# KiCad board eChook_Nano.kicad_pcb
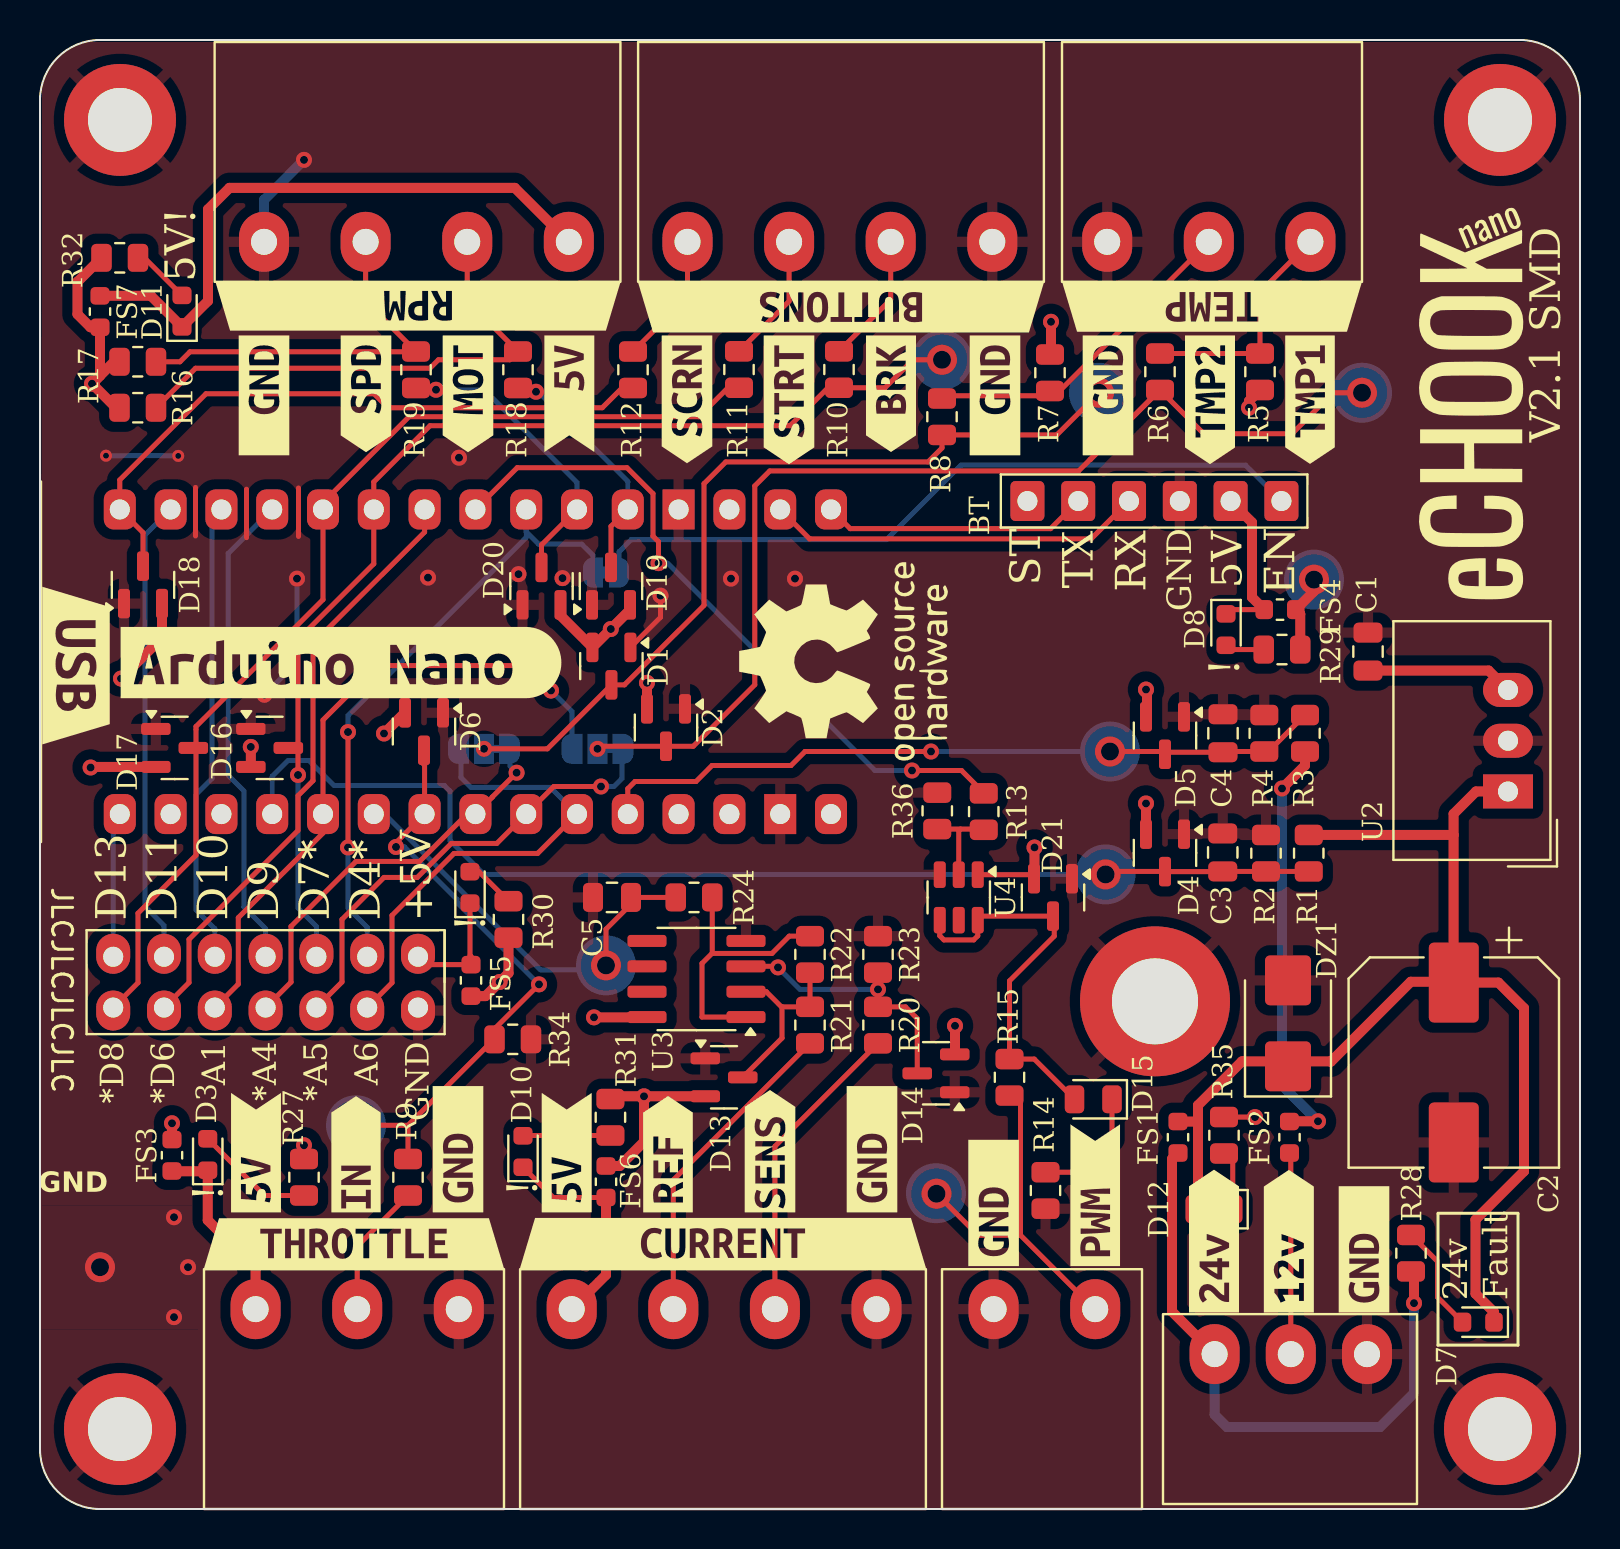
[diagram p0: board, top side]
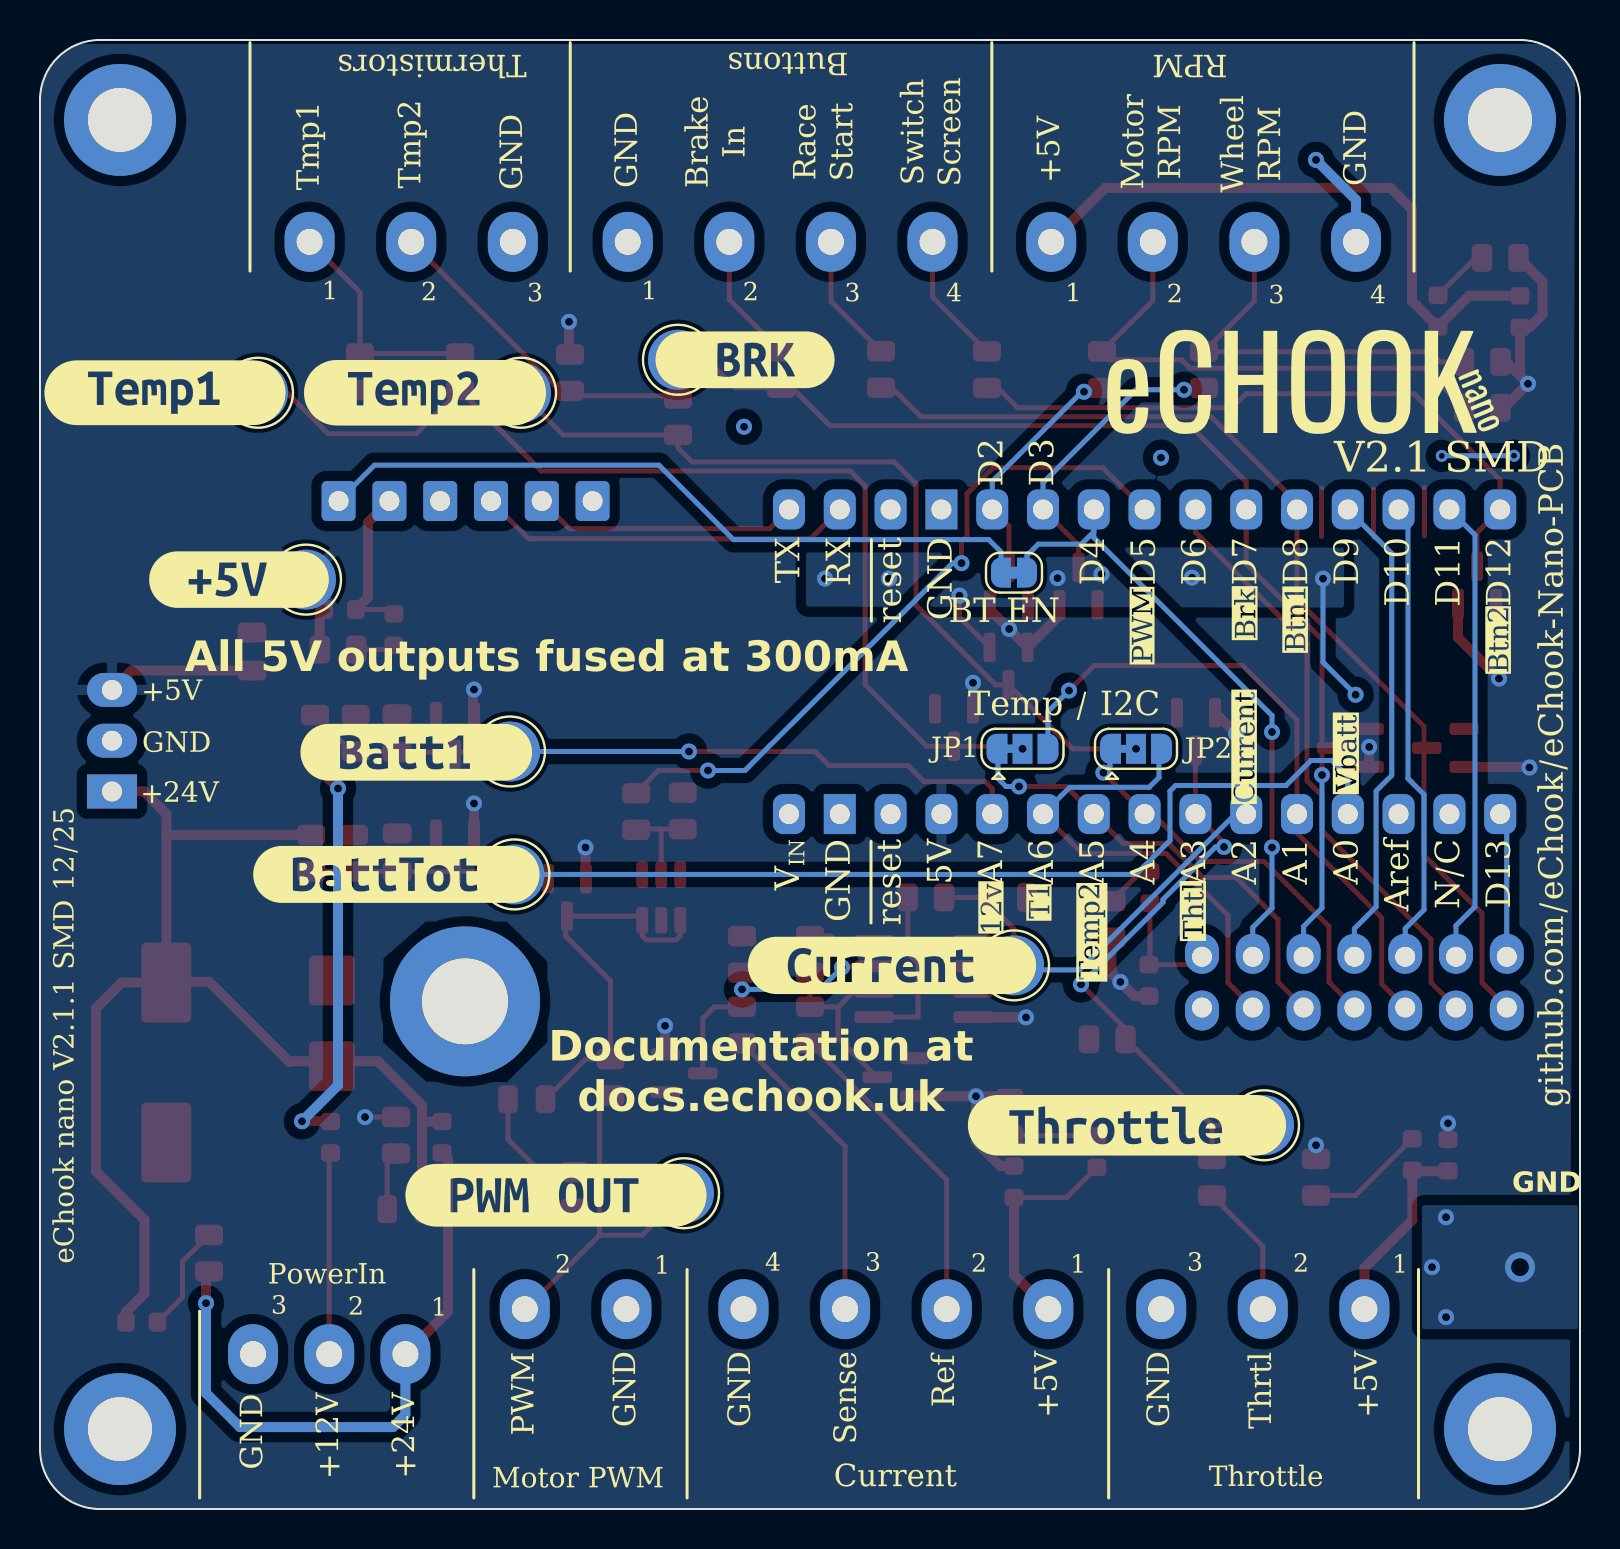
[diagram p1: board, bottom side, seen from below]

Outline 77 x 73.5 mm; copper layers: Top, Bottom. Coordinates in mm from the lower left corner of the outline.
Outline path: 0,70.5 arc(0.88,72.62) 3,73.5 74,73.5 arc(76.12,72.62) 77,70.5 77,3 arc(76.12,0.88) 74,0 3,0 arc(0.88,0.88) 0,3 0,70.5

## Placement (name value [footprint] x y rotation side)
BC1  -  [BOM-Component]  21.8 50 0 top
BC2  -  [BOM-Component]  21.8 34.8 0 top
C1  22u 10V  [C_0805_2012Metric]  66.4 42.9 90 top
C2  47uf 63V  [CP_Elec_10x10]  70.69 22.34 270 top
C3  1u  [C_0805_2012Metric]  59.14 32.85 90 top
C4  1u  [C_0805_2012Metric]  59.15 38.81 90 top
C5  1u  [C_0805_2012Metric]  28.6 30.6 180 top
Conn1  Current  [Pluggable_Terminal_4_5.08mm]  26.59 10 270 top
Conn2  PowerIn  [Pluggable_Terminal_3_3.81mm]  58.73 7.75 270 top
Conn3  Therm  [Pluggable_Terminal_3_5.08mm]  63.52 63.4 90 top
Conn4  RPM  [Pluggable_Terminal_4_5.08mm]  26.44 63.4 90 top
Conn5  EXT  [Pluggable_Terminal_4_5.08mm]  47.62 63.4 90 top
Conn6  Throttle  [Pluggable_Terminal_3_5.08mm]  10.78 10 270 top
Conn7  BT  [PinHeader_1x06_P2.54mm_Vertical]  62.07 50.43 270 top
Conn8  MotorPWM  [Pluggable_Terminal_2_5.08mm]  49.8 6 270 top
D1  BAT54S  [SOT-23]  28.57 42.17 270 top
D2  BAT54S  [SOT-23]  31.3 39.1 270 top
D3  LED  [LED_0603_1608Metric]  8.39 17.74 90 top
D4  BAT54S  [SOT-23]  56.25 32.83 270 top
D5  BAT54S  [SOT-23]  56.25 38.7 270 top
D6  BAT54S  [SOT-23]  19.2 38.9 270 top
D7  LED  [LED_0603_1608Metric]  71.91 9.35 180 top
D8  LED  [LED_0603_1608Metric]  59.3 44 270 top
D9  LED  [LED_0603_1608Metric]  21.5 31.1 90 top
D10  LED  [LED_0603_1608Metric]  24.15 17.89 90 top
D11  LED  [LED_0603_1608Metric]  7.1 59.93 90 top
D12  LED_GREEN  [LED_0805_2012Metric]  58.7 15 180 top
D13  BAT54S  [SOT-23]  34.2 21.6 0 top
D14  BAT54S  [SOT-23]  44.8 21.8 180 top
D15  LED_GREEN  [LED_0805_2012Metric]  52.66 20.5 180 top
D16  BAT54S  [SOT-23]  11.48 38.08 0 top
D17  BAT54S  [SOT-23]  6.73 38.08 0 top
D18  BAT54S  [SOT-23]  5.15 46.24 90 top
D19  BAT54S  [SOT-23]  28.55 46.17 90 top
D20  BAT54S  [SOT-23]  25.07 46.17 90 top
D21  BAT54S  [SOT-23]  50.65 30.6 270 top
DZ1  33v 35v 37v  [D_SMB]  62.4 24.3 90 top
FS1  Polyfuse 300mA  [Fuse_0603_1608Metric]  56.9 18.6 90 top
FS2  Polyfuse 300mA  [Fuse_0603_1608Metric]  62.47 18.6 90 top
FS3  Polyfuse 300mA  [Fuse_0603_1608Metric]  6.6 17.7 90 top
FS4  Polyfuse 300mA  [Fuse_0603_1608Metric]  62 45 0 top
FS5  Polyfuse 300mA  [Fuse_0603_1608Metric]  21.55 26.45 270 top
FS6  Polyfuse 300mA  [Fuse_0603_1608Metric]  28.3 16.37 90 top
FS7  Polyfuse 300mA  [Fuse_0603_1608Metric]  3 59.91 270 top
G***  -  [LOGO]  40.17 42.41 90 top
G***#2  LOGO  [eCHOOK_NANO_Logo_20mm]  71.5 55.35 90 top
G***#3  LOGO  [eCHOOK_NANO_Logo_20mm]  13.8 56.45 180 bottom
H1  MountingHole_Pad  [MountingHole_3.2mm_M3_DIN965_Pad_TopBottom]  4 69.5 0 top
H2  MountingHole_Pad  [MountingHole_3.2mm_M3_DIN965_Pad_TopBottom]  73 69.5 0 top
H3  MountingHole_Pad  [MountingHole_3.2mm_M3_DIN965_Pad_TopBottom]  4 4 0 top
H4  MountingHole_Pad  [MountingHole_3.2mm_M3_DIN965_Pad_TopBottom]  73 4 0 top
H5  MountingHole_Pad  [MountingHole_4.3mm_M4_DIN965_Pad]  55.75 25.4 0 top
J1  Expansion  [PinHeader_2x07_P2.54mm_Vertical]  18.9 27.63 270 top
JP1  SolderJumper_3_Bridged12  [SolderJumper-3_P1.3mm_Bridged12_RoundedPad1.0x1.5mm]  27.88 38.03 180 bottom  (not fitted)
JP2  SolderJumper_3_Bridged12  [SolderJumper-3_P1.3mm_Bridged12_RoundedPad1.0x1.5mm]  22.2 38.03 180 bottom  (not fitted)
JP3  ~  [SolderJumper-2_P1.3mm_Bridged_RoundedPad1.0x1.5mm]  28.3 46.85 0 bottom  (not fitted)
kibuzzard-66D71FF8  G***  [kibuzzard-66D71FF8]  58.7 13.41 90 top
kibuzzard-66D72A35  G***  [kibuzzard-66D72A35]  18.9 60.2 180 top
kibuzzard-66D86D8A  G***  [kibuzzard-66D86D8A]  40.05 60.13 180 top
kibuzzard-66D86D91  G***  [kibuzzard-66D86D91]  58.6 60.14 180 top
kibuzzard-66D86E8F  G***  [kibuzzard-66D86E8F]  16.3 55.8 90 top
kibuzzard-66D86EA3  G***  [kibuzzard-66D86EA3]  21.4 55.8 90 top
kibuzzard-66D86EBA  G***  [kibuzzard-66D86EBA]  26.47 55.8 90 top
kibuzzard-66D86EDC  G***  [kibuzzard-66D86EDC]  32.35 55.52 90 top
kibuzzard-66D86F00  G***  [kibuzzard-66D86F00]  37.45 55.49 90 top
kibuzzard-66D86F2B  G***  [kibuzzard-66D86F2B]  42.55 55.8 90 top
kibuzzard-66D86F7C  G***  [kibuzzard-66D86F7C]  63.5 55.5 90 top
kibuzzard-66D86F40  G***  [kibuzzard-66D86F40]  11.2 55.72 90 top
kibuzzard-66D86F46  G***  [kibuzzard-66D86F46]  47.75 55.72 90 top
kibuzzard-66D86F51  G***  [kibuzzard-66D86F51]  53.4 55.72 90 top
kibuzzard-66D86F60  G***  [kibuzzard-66D86F60]  58.5 55.5 90 top
kibuzzard-66D727FC  G***  [kibuzzard-66D727FC]  31.4 17.75 90 top
kibuzzard-66D728C6  G***  [kibuzzard-66D728C6]  15.8 17.75 90 top
kibuzzard-66D728F7  G***  [kibuzzard-66D728F7]  15.7 13.29 0 top
kibuzzard-66D7200F  G***  [kibuzzard-66D7200F]  62.44 13.4 90 top
kibuzzard-66D7283F  G***  [kibuzzard-66D7283F]  36.5 17.9 90 top
kibuzzard-66D72019  G***  [kibuzzard-66D72019]  47.68 15.31 90 top
kibuzzard-66D72019#2  G***  [kibuzzard-66D72019]  41.6 18 90 top
kibuzzard-66D72019#3  G***  [kibuzzard-66D72019]  20.9 18 90 top
kibuzzard-66D72019#4  G***  [kibuzzard-66D72019]  66.2 12.99 90 top
kibuzzard-66D72322  G***  [kibuzzard-66D72322]  52.76 15.7 90 top
kibuzzard-66D72613  G***  [kibuzzard-66D72613]  26.34 17.83 90 top
kibuzzard-66D72613#2  G***  [kibuzzard-66D72613]  10.8 17.83 90 top
kibuzzard-66D72997  G***  [kibuzzard-66D72997]  34.15 13.3 0 top
kibuzzard-66E1D05B  G***  [kibuzzard-66E1D05B]  15.05 42.35 0 top
kibuzzard-66E1D172  G***  [kibuzzard-66E1D172]  1.8 42.2 270 top
kibuzzard-66E1DBD4  G***  [kibuzzard-66E1DBD4]  58.19 37.86 180 bottom
kibuzzard-66E1DC01  G***  [kibuzzard-66E1DC01]  67.05 46.5 180 bottom
kibuzzard-66E1DD3E  G***  [kibuzzard-66E1DD3E]  41.75 57.5 180 bottom
kibuzzard-66E1DD07  G***  [kibuzzard-66E1DD07]  70.75 55.85 180 bottom
kibuzzard-66E1DD26  G***  [kibuzzard-66E1DD26]  57.75 55.85 180 bottom
kibuzzard-66E1DDEC  G***  [kibuzzard-66E1DDEC]  59.18 31.75 180 bottom
kibuzzard-66E1DE80  G***  [kibuzzard-66E1DE80]  34.4 27.2 180 bottom
kibuzzard-66E1DE99  G***  [kibuzzard-66E1DE99]  22.65 19.2 180 bottom
kibuzzard-67D9A076  G***  [kibuzzard-67D9A076]  51.2 15.7 180 bottom
R1  82k  [R_0805_2012Metric]  63.44 32.81 270 top
R2  16k  [R_0805_2012Metric]  61.3 32.81 90 top
R3  82K  [R_0805_2012Metric]  63.25 38.81 90 top
R4  16k  [R_0805_2012Metric]  61.22 38.81 90 top
R5  10k  [R_0805_2012Metric]  61 56.9 90 top
R6  1k  [R_0805_2012Metric]  56 56.9 270 top
R7  10k  [R_0805_2012Metric]  50.5 56.85 270 top
R8  1k  [R_0805_2012Metric]  45.1 54.65 270 top
R9  1k  [R_0805_2012Metric]  18.4 16.6 90 top
R10  1k  [R_0805_2012Metric]  39.95 57.01 270 top
R11  1k  [R_0805_2012Metric]  34.95 57.01 270 top
R12  1k  [R_0805_2012Metric]  29.65 57 270 top
R13  1k  [R_0805_2012Metric]  47.19 34.89 270 top
R14  1k  [R_0805_2012Metric]  50.28 15.94 90 top
R15  100  [R_0805_2012Metric]  48.47 21.6 270 top
R16  10k  [R_0805_2012Metric]  4.89 55.1 180 top
R17  10k  [R_0805_2012Metric]  4.89 57.4 180 top
R18  1k  [R_0805_2012Metric]  23.9 57 90 top
R19  1k  [R_0805_2012Metric]  18.8 57 90 top
R20  4.7k  [R_0805_2012Metric]  41.9 24.21 270 top
R21  4.7k  [R_0805_2012Metric]  38.5 24.21 270 top
R22  10k  [R_0805_2012Metric]  38.5 27.75 270 top
R23  10k  [R_0805_2012Metric]  41.9 27.75 270 top
R24  10k  [R_0805_2012Metric]  32.7 30.6 0 top
R27  1k  [R_0805_2012Metric]  13.2 16.6 90 top
R28  10k  [R_0805_2012Metric]  68.55 12.8 90 top
R29  1k  [R_0805_2012Metric]  62.1 43 0 top
R30  1k  [R_0805_2012Metric]  23.43 29.5 270 top
R31  1k  [R_0805_2012Metric]  28.52 19.6 90 top
R32  1k  [R_0805_2012Metric]  3.99 62.6 180 top
R34  100k  [R_0805_2012Metric]  23.64 23.5 0 top
R35  16k  [R_0805_2012Metric]  59.2 18.7 270 top
R36  100k  [R_0805_2012Metric]  44.86 34.93 90 top
TP1  BattTotalVTP  [TestPoint_Pad_D3.0mm]  53.28 31.75 180 bottom  (not fitted)
TP2  Batt1lVTP  [TestPoint_Pad_D3.0mm]  53.5 37.9 180 bottom  (not fitted)
TP3  PWR5VTP  [TestPoint_Pad_D3.0mm]  63.7 46.5 180 bottom  (not fitted)
TP4  PWM_TestPoint  [TestPoint_Pad_D3.0mm]  44.8 15.8 0 bottom
TP5  Temp1TP  [TestPoint_Pad_D3.0mm]  66.1 55.85 180 bottom  (not fitted)
TP6  Temp2TP  [TestPoint_Pad_D3.0mm]  52.95 55.85 180 bottom  (not fitted)
TP7  BrakeTP  [TestPoint_Pad_D3.0mm]  45.1 57.5 180 bottom  (not fitted)
TP8  ThrottleTP  [TestPoint_Pad_D3.0mm]  15.8 19.2 180 bottom  (not fitted)
TP9  CurrentTP  [TestPoint_Pad_D3.0mm]  28.3 27.2 180 bottom  (not fitted)
U1  Arduino_Nano_v3.x  [Arduino_Nano]  39.55 50.01 270 top  (not fitted)
U2  TSR_1-2450  [Converter_DCDC_TRACO_TSR-1_THT]  73.4 35.9 90 top
U3  MCP6002-xP  [SOIC-8_3.9x4.9mm_P1.27mm]  32.82 26.52 180 top
U4  ZXGD3009E6  [SOT-23-6]  45.94 30.6 270 top

## Library data of the parts
BC1 BC2 = -: LCSC: C2932676
C1 = -: LCSC: C45783; ki_fp_filters: C_*
C2 = -: LCSC: C125977; MPN: EEEHA1J470P; Manufacturer: PANASONIC; ki_fp_filters: CP_*
C3-C5 = -: LCSC: C28323; ki_fp_filters: C_*
Conn1 Conn4 Conn5 = -: LCSC: C8443; ki_fp_filters: Connector*:*_1x??_*
Conn2 = -: LCSC: C8406; ki_fp_filters: Connector*:*_1x??_*
Conn3 Conn6 = -: LCSC: C70914; ki_fp_filters: Connector*:*_1x??_*
Conn7 = -: LCSC: C5224026; ki_fp_filters: Connector*:*_1x??_*
Conn8 = -: LCSC: C441204; ki_fp_filters: Connector*:*_1x??_*
D1 D2 D4-D6 D13 D14 D16-D21 = -: Datasheet: https://www.diodes.com/assets/Datasheets/ds11005.pdf; Description: Vr 30V, If 200mA, Dual schottky barrier diode, in series, SOT-323; LCSC: C47546; MPN: BAT54S,215; Manufacturer: Nexperia; ki_fp_filters: SOT?23*
D3 D7-D11 = -: LCSC: C2286; ki_fp_filters: LED* LED_SMD:* LED_THT:*
D12 D15 = -: LCSC: C2297; MPN: KT-0805G; Manufacturer: Hubei KENTO Elec; ki_fp_filters: LED* LED_SMD:* LED_THT:*
DZ1 = -: Datasheet: https://www.lcsc.com/datasheet/lcsc_datasheet_2110220930_ROHM-Semicon-PTZTE2533B_C2909283.pdf; Description: Zener diode, generic symbol, Alternate KiCAD Library; LCSC: C2909283; MPN: PTZTE2533B; Manufacturer: ROHM Semi; ki_fp_filters: TO-???* *_Diode_* *SingleDiode* D_*
FS1-FS7 = -: Datasheet: https://www.lcsc.com/datasheet/lcsc_datasheet_2403041840_BHFUSE-BSMD0603-010-36V_C18377604.pdf; LCSC: C7472522; MPN: BHFUSE BSMD0603-010-36V; ki_fp_filters: *polyfuse* *PTC*
H1-H5 = -: Description: Mounting Hole with connection; ki_fp_filters: MountingHole*Pad*
J1 = -: LCSC: C38844; ki_fp_filters: Connector*:*_2x??_*
JP1 JP2 = -: Description: 3-pole Solder Jumper, pins 1+2 closed/bridged; ki_fp_filters: SolderJumper*Bridged12*
JP3 = -: Description: Solder Jumper, 2-pole, closed/bridged; ki_fp_filters: SolderJumper*Bridged*
R1 R3 = -: LCSC: C21571501; ki_fp_filters: R_*
R2 R4 R35 = -: LCSC: C706220; ki_fp_filters: R_*
R5 R7 R16 R17 R22-R24 R28 = -: LCSC: C17414; ki_fp_filters: R_*
R6 R8-R12 R14 R18 R19 R27 R29-R32 = -: LCSC: C17513; ki_fp_filters: R_*
R13 R15 = -: Description: Resistor; LCSC: C17414; ki_fp_filters: R_*
R20 R21 = -: LCSC: C17673; ki_fp_filters: R_*
R34 R36 = -: Description: Resistor; LCSC: C149504; ki_fp_filters: R_*
TP1-TP3 TP5-TP9 = -: ki_fp_filters: Pin* Test*
TP4 = -: Description: test point; ki_fp_filters: Pin* Test*
U1 = -: Datasheet: http://www.mouser.com/pdfdocs/Gravitech_Arduino_Nano3_0.pdf; ki_fp_filters: Arduino*Nano*
U2 = -: Datasheet: http://www.tracopower.com/products/tsr1.pdf; LCSC: C19188491; ki_fp_filters: Converter*DCDC*TRACO*TSR?1*
U3 = -: Datasheet: https://ww1.microchip.com/downloads/en/DeviceDoc/MCP6001-1R-1U-2-4-1-MHz-Low-Power-Op-Amp-DS20001733L.pdf; LCSC: C7377; ki_fp_filters: SOIC*3.9x4.9mm*P1.27mm* DIP*W7.62mm* TO*99* OnSemi*Micro8* TSSOP*3x3mm*P0.65mm* TSSOP*4.4x3mm*P0.65mm* MSOP*3x3mm*P0.65mm* SSOP*3.9x4.9mm*P0.635mm* LFCSP*2x2mm*P0.5mm* *SIP* SOIC*5.3x6.2mm*P1.27mm*
U4 = -: Datasheet: https://www.diodes.com/assets/Datasheets/ZXGD3009E6.pdf; Description: 2A (peak) Gate driver, 40V, SOT-23-6; LCSC: C156293; ki_fp_filters: SOT?23*

## Footprints (pads in the part's own frame, mm; a bottom-side part is the same pattern mirrored in y, then rotated)
Arduino_Nano
  rrect 2x1.6 hole 1: 1(0,0) 2(0,-2.54) 3(0,-5.08) 5(0,-10.16) 6(0,-12.7) 7(0,-15.24) 8(0,-17.78) 9(0,-20.32) 10(0,-22.86) 11(0,-25.4) 12(0,-27.94) 13(0,-30.48) 14(0,-33.02) 15(0,-35.56) 16(15.24,-35.56) 17(15.24,-33.02) 18(15.24,-30.48) 19(15.24,-27.94) 20(15.24,-25.4) 21(15.24,-22.86) 22(15.24,-20.32) 23(15.24,-17.78) 24(15.24,-15.24) 25(15.24,-12.7) 26(15.24,-10.16) 27(15.24,-7.62) 28(15.24,-5.08) 30(15.24,0)
  rect 2x1.6 hole 1: 4(0,-7.62) 29(15.24,-2.54)
C_0805_2012Metric
  rrect 1x1.45 smd: 1(-0.95,0) 2(0.95,0)
Converter_DCDC_TRACO_TSR-1_THT
  rect 1.7x2.5 hole 1: 1(0,0)
  oval 1.7x2.5 hole 1: 2(2.54,0) 3(5.08,0)
CP_Elec_10x10
  rrect 4x2.5 smd: 1(-4,0) 2(4,0)
D_SMB
  rrect 2.5x2.3 smd: 1(-2.15,0) 2(2.15,0)
Fuse_0603_1608Metric
  rrect 0.875x0.95 smd: 1(-0.787,0) 2(0.787,0)
LED_0603_1608Metric
  rrect 0.875x0.95 smd: 1(-0.787,0) 2(0.787,0)
LED_0805_2012Metric
  rrect 0.975x1.4 smd: 1(-0.938,0) 2(0.938,0)
MountingHole_3.2mm_M3_DIN965_Pad_TopBottom
  round 3.6 hole 3.2: 1(0,0)
  round 5.6 smd: 1(0,0)
  round 5.6 smd far side: 1(0,0)
MountingHole_4.3mm_M4_DIN965_Pad
  round 7.5 hole 4.3: 1(0,0)
PinHeader_1x06_P2.54mm_Vertical
  rrect 2x1.7 hole 1: 1(0,0) 2(0,-2.54) 3(0,-5.08) 4(0,-7.62) 5(0,-10.16) 6(0,-12.7)
PinHeader_2x07_P2.54mm_Vertical
  oval 2x1.7 hole 1: 1(0,0) 2(0,-2.54) 3(0,-5.08) 4(0,-7.62) 5(0,-10.16) 6(0,-12.7) 7(0,-15.24) 8(2.54,-15.24) 9(2.54,-12.7) 10(2.54,-10.16) 11(2.54,-7.62) 12(2.54,-5.08) 13(2.54,-2.54) 14(2.54,0)
Pluggable_Terminal_2_5.08mm
  oval 3x2.5 hole 1.3: 1(-4,-2.12) 2(-4,2.96)
Pluggable_Terminal_3_3.81mm
  oval 3x2.5 hole 1.3: 1(0,0) 2(0,3.81) 3(0,7.62)
Pluggable_Terminal_3_5.08mm
  oval 3x2.5 hole 1.3: 1(0,0) 2(0,5.08) 3(0,10.16)
Pluggable_Terminal_4_5.08mm
  oval 3x2.5 hole 1.3: 1(0,0) 2(0,5.08) 3(0,10.16) 4(0,15.24)
R_0805_2012Metric
  rrect 1.025x1.4 smd: 1(-0.912,0) 2(0.912,0)
SOIC-8_3.9x4.9mm_P1.27mm
  rrect 1.95x0.6 smd: 1(-2.475,1.905) 2(-2.475,0.635) 3(-2.475,-0.635) 4(-2.475,-1.905) 5(2.475,-1.905) 6(2.475,-0.635) 7(2.475,0.635) 8(2.475,1.905)
SolderJumper-2_P1.3mm_Bridged_RoundedPad1.0x1.5mm
  custom 1x1.5 smd: 1(-0.65,0) 2(0.65,0)
SolderJumper-3_P1.3mm_Bridged12_RoundedPad1.0x1.5mm
  custom 1.05x1.5 smd: 1(-1.3,0) 3(1.3,0)
  rect 1x1.5 smd: 2(0,0)
SOT-23
  rrect 1.475x0.6 smd: 1(-0.938,0.95) 2(-0.938,-0.95) 3(0.938,0)
SOT-23-6
  rrect 1.325x0.6 smd: 1(-1.137,0.95) 2(-1.137,0) 3(-1.137,-0.95) 4(1.137,-0.95) 5(1.137,0) 6(1.137,0.95)
TestPoint_Pad_D3.0mm
  round 3 smd: 1(0,0)

## Nets
+5V: C1.1 D1.2 D2.2 D4.2 D5.2 D6.2 D13.2 D14.2 D16.2 D17.2 D18.2 D19.2 D20.2 D21.2 FS3.2 FS4.2 FS5.2 FS6.2 FS7.2 R5.1 R7.1 R16.2 R17.2 R27.2 R29.2 R30.2 R31.2 R32.2 R35.1 TP3.1 U1.27 U2.3 U3.8 U4.1
+12V: FS2.2 R3.1
+24V: C2.1 D7.1 D12.2 DZ1.1 FS1.2 R1.1 U2.1
/24vIn: Conn2.1 FS1.1 R28.1
GND: C1.2 C2.2 C3.2 C4.2 C5.2 Conn1.4 Conn2.3 Conn3.3 Conn4.4 Conn5.1 Conn6.3 Conn7.3 Conn8.1 D1.1 D2.1 D4.1 D5.1 D6.1 D13.1 D14.1 D16.1 D17.1 D18.1 D19.1 D20.1 D21.1 DZ1.2 H1.1 H2.1 H3.1 H4.1 H5.1 J1.14 R2.2 R4.2 R14.1 R23.1 R34.2 R36.2 U1.4 U1.29 U2.2 U3.4 U4.3
/A1: J1.10 JP1.3 U1.20
/A4: J1.11 JP2.1 U1.23
/A5: J1.12 JP1.1 U1.24
/A6: J1.13 JP2.3 U1.25
/Batt1v: C4.1 D5.3 R3.2 R4.1 TP2.1 U1.26
/BattTotalV: C3.1 D4.3 R1.2 R2.1 TP1.1 U1.19
/Brake: D16.3 J1.3 R10.2 TP7.1 U1.10
/BT_In: Conn7.4 U1.2
/BT_Out: Conn7.5 U1.1
/CurrentSens: C5.1 R24.1 TP9.1 U1.21
/CurrRefIn: D13.3 R21.1 R22.2 U3.2
/CurrSenseIn: D14.3 R20.1 R23.2 U3.3
/D4: J1.2 JP3.1 U1.7
/D6: J1.9 U1.9
/D9: J1.4 U1.12
/D10: J1.5 U1.13
/D11: J1.6 U1.14
/D13: J1.7 U1.16
/DriverButton: D17.3 J1.8 R11.2 U1.11
/DriverButton2: D18.3 R12.2 U1.15
/EN: Conn7.1 JP3.2
/MotorPWM: R13.1 U1.8
/MotorRPM: D19.3 R18.1 U1.5
/Out_Int: D15.2 D21.3 R15.1 U4.4 U4.6
/ST: Conn7.6
/Temp1: D2.3 JP1.2 R6.2 TP5.1
/Temp2: D1.3 JP2.2 R8.2 TP6.1
/Throttle: D6.3 R9.2 R34.1 TP8.1 U1.22
/WheelRPM: D20.3 R19.1 U1.6
Net-(Conn1-Pin_1): Conn1.1 D10.1 FS6.1
Net-(Conn1-Pin_2): Conn1.2 R21.2
Net-(Conn1-Pin_3): Conn1.3 R20.2
Net-(Conn2-Pin_2): Conn2.2 FS2.1
Net-(Conn3-Pin_1): Conn3.1 R5.2 R6.1
Net-(Conn3-Pin_2): Conn3.2 R7.2 R8.1
Net-(Conn4-Pin_1): Conn4.1 D11.1 FS7.1
Net-(Conn4-Pin_2): Conn4.2 R16.1 R18.2
Net-(Conn4-Pin_3): Conn4.3 R17.1 R19.2
Net-(Conn5-Pin_2): Conn5.2 R10.1
Net-(Conn5-Pin_3): Conn5.3 R11.1
Net-(Conn5-Pin_4): Conn5.4 R12.1
Net-(Conn6-Pin_1): Conn6.1 D3.1 FS3.1
Net-(Conn6-Pin_2): Conn6.2 R9.1
Net-(Conn7-Pin_2): Conn7.2 D8.1 FS4.1
Net-(Conn8-Pin_2): Conn8.2 R15.2 TP4.1
Net-(D3-A): D3.2 R27.1
Net-(D7-A): D7.2 R28.2
Net-(D8-A): D8.2 R29.1
Net-(D9-A): D9.2 R30.1
Net-(D9-K): D9.1 FS5.1 J1.1
Net-(D10-A): D10.2 R31.1
Net-(D11-A): D11.2 R32.1
Net-(D12-K): D12.1 R35.2
Net-(D15-K): D15.1 R14.2
Net-(R22-Pad1): R22.1 R24.2 U3.1
Net-(U4-IN): R13.2 R36.1 U4.2

Pads without a net: U1 3 17 18 28 30; U3 5 6 7; U4 5

## Via types
v1: diameter 1.5, hole 0.9, Top to Bottom, 10 vias
v2: diameter 0.8, hole 0.4, Top to Bottom, 53 vias
v3: diameter 0.6, hole 0.3, Top to Bottom, 2 vias

## Routing (per net, layer and track width the routed paths; a pad name or vN(x,y) marks a point on that pad's centre or on a via; arc(x,y) is an arc through that point)
+5V: length 69.6
  Top w0.25: D21.2 49.5,31.74 U4.1 ; R35.1 60.75,19.61 v2(60.75,19.61)
  Top w0.5: v2(30.35,41.34) 30.35,40.46 ; 49.75,31.72 49.72,31.75 v2(49.72,33.1) ; U2.3 72.43,41.95 C1.1 ; 45.75,23.6 v2(45.75,24.17) 45.75,22.76 D14.2 ; R29.2 63.01,44.77 FS4.2 63.7,45.91 v1(63.7,46.5) ; v2(2.53,37.1) 2.5,37.13 D17.2 ; FS5.2 22.27,25.66 v2(22.98,26.37) 23.43,26.81 R30.2 ; v2(30.2,20.65) 30.2,18.38 28.98,17.16 FS6.2 ; 55.35,39.64 55.35,40.75 55.3,40.8 ; v2(6.6,19.3) FS3.2 ; v2(27.7,24.6) 30.34,24.6 ; R27.2 v2(13.2,18.2) ; v2(60.45,55.1) 60.45,55.44 R5.1 ; D1.2 26.03,44.7 26.03,44.89 ; 1.88,59.78 2.53,59.12 3,59.12 3,56.7 v2(2.6,56.3) ; R17.2 3.7,57.4 v2(2.6,56.3) ; D13.2 28.66,20.65 ; v2(17.2,38.8) 18.2,39.8 ; 27.6,43.09 29.5,44.99 ; D18.2 6.1,43.6 v2(4.05,41.55) ; v2(10.54,38.13) 10.54,38.13 D16.2 ; v2(50.55,59.4) 50.55,57.81 ; v2(2.6,56.3) 3.8,55.1 ; 1.88,61.4 R32.2 ; 1.88,59.79 1.88,61.41 ; v2(55.3,35.3) 55.3,33.93
  vias: v2(28.54,44.03) v2(55.3,41)
+12V: length 21.1
  Top w0.5: v2(63.9,19.4) 62.49,19.4 ; v2(62.1,36.05) 63.25,37.2 R3.1
  Bottom w0.5: v2(62.1,36.05) 62.1,21.2 v2(63.9,19.4)
+24V: length 60.3
  Top w0.5: 70.68,26.35 70.68,33.72 ; 70.68,33.72 70.65,33.75 70.62,33.72 R1.1 ; 70.68,33.72 70.68,34.78 71.8,35.9 U2.1 ; 57.9,19.39 FS1.2 ; 57.9,19.39 57.9,15.14 ; 57.9,19.39 57.9,20.2 60.1,22.4 62.15,22.4 ; 70.65,26.38 68.54,26.38 64.54,22.38 64.52,22.4 63.25,22.4 ; C2.1 72.92,26.34 74.2,25.06 74.2,16.9 71.78,14.47 71.78,10.77 72.7,9.85 D7.1
/24vIn: length 31
  Top w0.5: v2(68.7,10.3) 68.7,11.74 ; FS1.1 56.6,17.51 56.6,9.88 Conn2.1
  Bottom w0.5: Conn2.1 58.73,4.72 59.35,4.1 67,4.1 68.7,5.8 v2(68.7,10.3)
GND: length 25.6
  Top w0.25: 10.33,48.6 10.33,51.02 ; 12.92,48.66 12.92,51.09 ; 3.28,52.67 v3(3.3,52.7) ; v2(31.03,45.7) 31.03,44.61 D1.1 ; 7.78,48.69 7.78,51.11 ; v2(11.22,40.74) 11.15,40.74
  Bottom w0.25: v2(11.22,40.74) 12.85,42.37 v2(12.85,46.55) ; v3(6.91,52.69) 6.9,52.7 v3(3.3,52.7)
  Bottom w0.5: 11.2,63.4 11.2,65.5 v2(13.2,67.5)
  vias: v1(3,12.1) v2(6.7,14.6) v2(6.7,9.6) v2(7.4,12.1) v2(19.4,46.6) v2(20.95,52.6) v2(23.93,46.77) v2(26.12,46.57) v2(34.55,46.55) v2(37.75,46.55) v2(41.8,54.15)
/A1: length 33
  Top w0.25: J1.10 9.92,26.26 9.92,29.58 14.15,33.82 U1.20 14.15,39.48 16.87,42.2 24.3,42.2 v2(25.55,40.95)
  Bottom w0.25: v2(25.55,40.95) 26.6,39.9 26.6,38.06
/A4: length 20
  Top w0.25: U1.23 22.62,35.62 22.62,35.63 v2(23.83,36.84) ; J1.11 12.55,26.36 12.55,29.15 15.8,32.4 18.98,32.4 21.35,34.77
  Bottom w0.25: JP2.1 23.5,37.17 v2(23.83,36.84)
/A5: length 23.3
  Top w0.25: v2(28.05,36.15) 25.69,36.15 U1.24 22.84,33.3 20.56,33.3 18.86,31.6 17.2,31.6 15.1,29.5 15.1,26.37 J1.12
  Bottom w0.25: 29.1,37.96 29.1,36.55 28.7,36.15 v2(28.05,36.15)
/A6: length 24.3
  Top w0.25: U1.25 24.88,32.8 20.7,32.8 17.6,29.7 17.6,26.33 J1.13
  Bottom w0.25: U1.25 25.51,36.11 21.54,36.11 21.05,36.6 21.05,37.88
/Batt1v: length 36.3
  Top w0.25: v2(44.55,37.9) 38.25,37.9 37.55,37.2 33.6,37.2 32.8,36.4 29.75,36.4 29.39,36.04 U1.26 ; 61.43,37.9 R3.2 ; v1(53.5,37.9) 56.16,37.9 ; 56.4,37.86 59.3,37.86 ; R4.1 59.19,37.9
  Bottom w0.25: v1(53.5,37.9) v2(44.55,37.9)
/BattTotalV: length 59
  Top w0.25: 59.13,31.89 56.5,31.89 56.49,31.9 53.43,31.9 v1(53.28,31.75) ; R1.2 C3.1
  Bottom w0.25: U1.19 11.61,36.66 12.4,37.45 13.45,37.45 14.7,36.2 20.22,36.2 20.5,35.92 20.5,33.45 22.2,31.75 54.4,31.75
/Brake: length 56.7
  Top w0.25: v2(12.9,36.72) 12.9,43.5 16.69,47.29 U1.10 16.69,51.39 19.5,54.2 37.5,54.2 39.4,56.1 42.25,56.1 43.65,57.5 v1(45.1,57.5)
  Bottom w0.25: v2(12.9,36.72) 12.9,30.07 13.82,29.15 J1.3
/BT_In: length 18.8
  Top w0.25: Conn7.4 52.56,48.54 38.48,48.54 U1.2
/BT_Out: length 13.3
  Top w0.25: Conn7.5 50.53,49.05 40.51,49.05 U1.1
/CurrentSens: length 19.9
  Top w0.25: 29.9,30.61 28.3,29.01 v1(28.3,27.2) ; R24.1 29.91,30.6
  Bottom w0.25: 28.07,26.97 25.03,26.97 17.33,34.67
/CurrRefIn: length 9.6
  Top w0.25: 37.1,25.1 36.32,25.88 U3.2 ; 37.1,25.1 37.1,23.56 D13.3 ; 37.1,25.1 37.12,25.12 R21.1 R22.2
/CurrSenseIn: length 14.6
  Top w0.25: U3.3 36.85,27.15 v2(36.9,27.1) ; v2(41.9,26) R23.2 R20.1 43.28,25.12 43.86,24.54 D14.3
  Bottom w0.25: v2(41.9,26) 38,26 v2(36.9,27.1)
/D4: length 32.3
  Top w0.25: v2(15.4,38.87) v2(15.4,33.1)
  Bottom w0.25: JP3.1 27.65,47.71 27.09,48.27 24.93,48.27 24.31,48.89 U1.7 24.31,48.61 15.4,39.7 v2(15.4,38.87) ; J1.2 16.36,29.1 15.4,30.06 v2(15.4,33.1)
/D6: length 30.3
  Top w0.25: U1.9 19.23,48.88 13.65,43.3 13.65,36.44 12.9,35.69 12.9,33.95 7.45,28.5 7.45,26.34 J1.9
/D9: length 24.1
  Bottom w0.25: U1.12 9.41,47.81 9.41,36.71 10.19,35.92 10.19,30.12 11.28,29.04 J1.4
/D10: length 22.6
  Bottom w0.25: J1.5 8.74,29.04 7.8,29.98 7.8,35.75 8.6,36.55 8.6,49.54
/D11: length 23.3
  Bottom w0.25: J1.6 6.2,29.19 5.25,30.14 5.25,48.73 U1.14
/D13: length 6.8
  Bottom w0.25: J1.7 3.66,34.44
/DriverButton: length 51.9
  Top w0.25: U1.11 14.15,45.5 7.8,39.15 7.8,32.71 4.9,29.81 4.9,26.33 J1.8 ; 14.15,50.35 18.45,54.65 32.95,54.65 34.4,56.1
/DriverButton2: length 32.4
  Top w0.25: D18.3 5.15,48.85 U1.15 3.99,51.49 8.3,55.8 16.7,55.8 17.4,55.1 28.11,55.1 29.1,56.09
/EN: length 36.7
  Bottom w0.25: Conn7.1 60.28,52.22 46.05,52.22 42.32,48.5 29.56,48.5 28.95,47.89 JP3.2
/MotorPWM: length 34.9
  Top w0.25: v2(43.6,36.95) 43.6,36.95 46.07,36.95 47.19,35.84 R13.1 ; U1.8 23.86,52.1 29.35,52.1 30.65,50.8 30.65,48.67 30.93,48.4 v2(30.93,47.32)
  Bottom w0.25: v2(43.6,36.95) 41.75,36.95 31.38,47.32 v2(30.93,47.32)
/MotorRPM: length 12.1
  Top w0.25: v2(24.8,55.9) 24.09,55.9 ; 28.55,46.86 28.55,49.17 U1.5
  Bottom w0.25: v2(24.8,55.9) 24.9,55.9 29.39,51.41 U1.5
/Out_Int: length 19.7
  Top w0.25: D15.2 49.71,22.51 R15.1 48.47,26.42 50.71,28.66 50.71,29.6 D21.3 47.09,29.66 U4.6 46.89,28.68 46.68,28.47 45.2,28.47 44.99,28.68 U4.4
/Temp1: length 58.2
  Top w0.25: 52.51,52.51 52.52,52.51 R6.2 58.19,53.8 62.6,53.8 64.65,55.85 v1(66.1,55.85) ; 52.51,52.51 55.98,55.99 ; 52.51,52.51 51.93,51.94 36.49,51.94 35.74,51.19 35.74,41.24 32.66,38.16 D2.3 28.07,38.16 27.91,38 v2(27.88,38.03)
/Temp2: length 42.1
  Top w0.25: v1(52.95,55.85) 50.84,53.74 R8.2 45.1,53.09 44.4,52.39 34.29,52.39 33.2,51.3 33.2,45.21 29.22,41.23 D1.3 25.37,38.03 v2(22.2,38.03)
/Throttle: length 28.5
  Top w0.25: v2(17.8,33.12) 17.8,33.34 U1.22 19.23,37.22 19.1,37.35 ; 22.72,24.02 v2(24.95,26.25) ; 22.7,23.5 18.4,19.2 ; 18.4,19.2 R9.2 ; 18.4,19.2 v1(15.8,19.2)
  Bottom w0.25: v2(17.8,33.12) 18.22,33.12 20.85,30.5 20.85,30.35 v2(24.95,26.25)
/WheelRPM: length 15.2
  Top w0.25: U1.6 25.07,48.23 25.07,46.76 ; v2(19.8,56) 18.89,56
  Bottom w0.25: v2(19.8,56) 22.2,56 26.85,51.35 U1.6
Net-(Conn1-Pin_1): length 11.1
  Top w0.25: FS6.1 25.66,15.59 D10.1
  Top w0.5: FS6.1 28.3,11.71 Conn1.1
Net-(Conn1-Pin_2): length 16.1
  Top w0.25: 31.66,10 31.66,16.46 R21.2
Net-(Conn1-Pin_3): length 15.4
  Top w0.25: Conn1.3 36.75,18.14 R20.2
Net-(Conn2-Pin_2): length 10.3
  Top w0.25: Conn2.2 62.54,18.08
Net-(Conn3-Pin_1): length 11.6
  Top w0.25: R6.1 R5.2 61,60.88 Conn3.1
Net-(Conn3-Pin_2): length 15.6
  Top w0.25: 50.26,55.7 45.24,55.7 ; 50.98,55.94 Conn3.2
Net-(Conn4-Pin_1): length 30.8
  Top w0.5: FS7.1 5.55,60.7 7.1,59.14 8.4,60.44 8.4,65.02 9.47,66.1 23.74,66.1 Conn4.1
Net-(Conn4-Pin_2): length 25.8
  Top w0.25: R16.1 7.78,57.07 19.5,57.07 19.92,57.5 23.49,57.5 R18.2 21.36,60.45 Conn4.2
Net-(Conn4-Pin_3): length 19.7
  Top w0.25: 18.79,57.9 7.5,57.9 7,57.4 R17.1 ; R19.2 16.28,60.43 Conn4.3
Net-(Conn5-Pin_2): length 6.5
  Top w0.25: Conn5.2 42.53,60.51 R10.1
Net-(Conn5-Pin_3): length 6.5
  Top w0.25: R11.1 37.46,60.43 Conn5.3
Net-(Conn5-Pin_4): length 6.6
  Top w0.25: Conn5.4 32.38,60.64 R12.1
Net-(Conn6-Pin_1): length 9.7
  Top w0.5: D3.1 8.39,14.45 10.78,12.06 Conn6.1 ; 6.61,16.9 8.34,16.9
Net-(Conn6-Pin_2): length 6.7
  Top w0.25: Conn6.2 15.86,13.15 R9.1
Net-(Conn7-Pin_2): length 7.8
  Top w0.25: FS4.1 59.51,45
  Top w0.5: FS4.1 60.6,45.61 60.6,49.36 Conn7.2
Net-(Conn8-Pin_2): length 17.8
  Top w0.25: 49.03,13.7 46.9,13.7 v1(44.82,15.77) TP4.1 ; 49.03,13.7 52.72,10 Conn8.2 ; 49.03,13.7 49.03,20.51 48.85,20.69 R15.2
Net-(D3-A): length 6
  Top w0.25: R27.1 11.22,15.69 D3.2
Net-(D7-A): length 5.4
  Top w0.25: D7.2 69.88,10.6 69.88,12.39 R28.2
Net-(D8-A): length 1.7
  Top w0.25: R29.1 59.51,43
Net-(D9-A): length 2.5
  Top w0.25: R30.1 21.95,31.89 D9.2
Net-(D9-K): length 5.4
  Top w0.25: 19.29,27.24 FS5.1 21.55,27.65 21.5,27.7 D9.1
Net-(D10-A): length 4.6
  Top w0.25: 28.8,18.69 24.16,18.69
Net-(D11-A): length 2.7
  Top w0.25: 5.22,62.6 D11.2
Net-(D12-K): length 3
  Top w0.25: R35.2 59.64,17.35 D12.1
Net-(D15-K): length 6
  Top w0.25: D15.1 53.6,18.5 51.95,16.85 R14.2
Net-(R22-Pad1): length 13.7
  Top w0.25: R24.2 33.61,27.81 ; 33.61,27.81 33.63,27.8 36.6,27.8 37.46,28.66 R22.1 ; 33.61,27.81 33.1,27.3 33.1,24.61 U3.1
Net-(U4-IN): length 4.7
  Top w0.25: R36.1 46.03,34.02 ; 46.03,34.02 47.15,34.02 R13.2 ; 46.03,34.02 45.94,33.93 U4.2

## Copper pours and planes (outline as drawn; the poured copper is in the pictures)
+5V on Bottom: 77.33,-0.1 0.53,-0.1 0.23,73.3 77.03,73.3
GND on Top: 77.3,-0.2 0,-0.1 0.1,73.4 77.1,73.4
GND on Top, Bottom: 0.1,15.2 7.9,15.2 7.9,9 0.1,9
GND on Bottom: 11.8,48.1 38.7,48.15 38.7,45.15 11.8,45.1

## Text on the board
B.Silkscreen: V2.1 SMD | 1 | 4 | 2 | 3 | Throttle | Motor PWM | PowerIn | eChook nano V2.1.1 SMD 12/25 | Btn2 | Vbatt | Btn1 | Brk | Current | Thtl | PWM | Temp2 | T1 | 12v | GND | +24V | +5V | Thrtl | Ref | Sense | +12V | RPM | Buttons | Thermistors | Wheel / RPM | Motor / RPM | Switch / Screen | Race / Start | Brake / In | Tmp2 | Tmp1 | Temp / I2C | BT EN | D12 | D13 | D11 | N/C | D10 | Aref | D9 | A0 | D8 | A1 | D7 | A2 | D6 | A3 | D5 | A4 | D4 | A5 | D3 | A6 | D2 | A7 | 5V | ~{reset} | RX | TX | V_{IN} | github.com/eChook/eChook-Nano-PCB | Documentation at / docs.echook.uk | All 5V outputs fused at 300mA
F.Silkscreen: JLCJLCJLCJLC | V2.1 SMD | GND | *D8 | *D6 | A1 | *A4 | *A5 | A6 | 24v / Fault | D13 | D11 | D10 | D9 | D7* | D4* | +5V | 5V! | ! | ST | TX | RX | 5V | EN
